# Altium PCB controller_V1.0.PcbDoc (part 5 of 8) (continued)
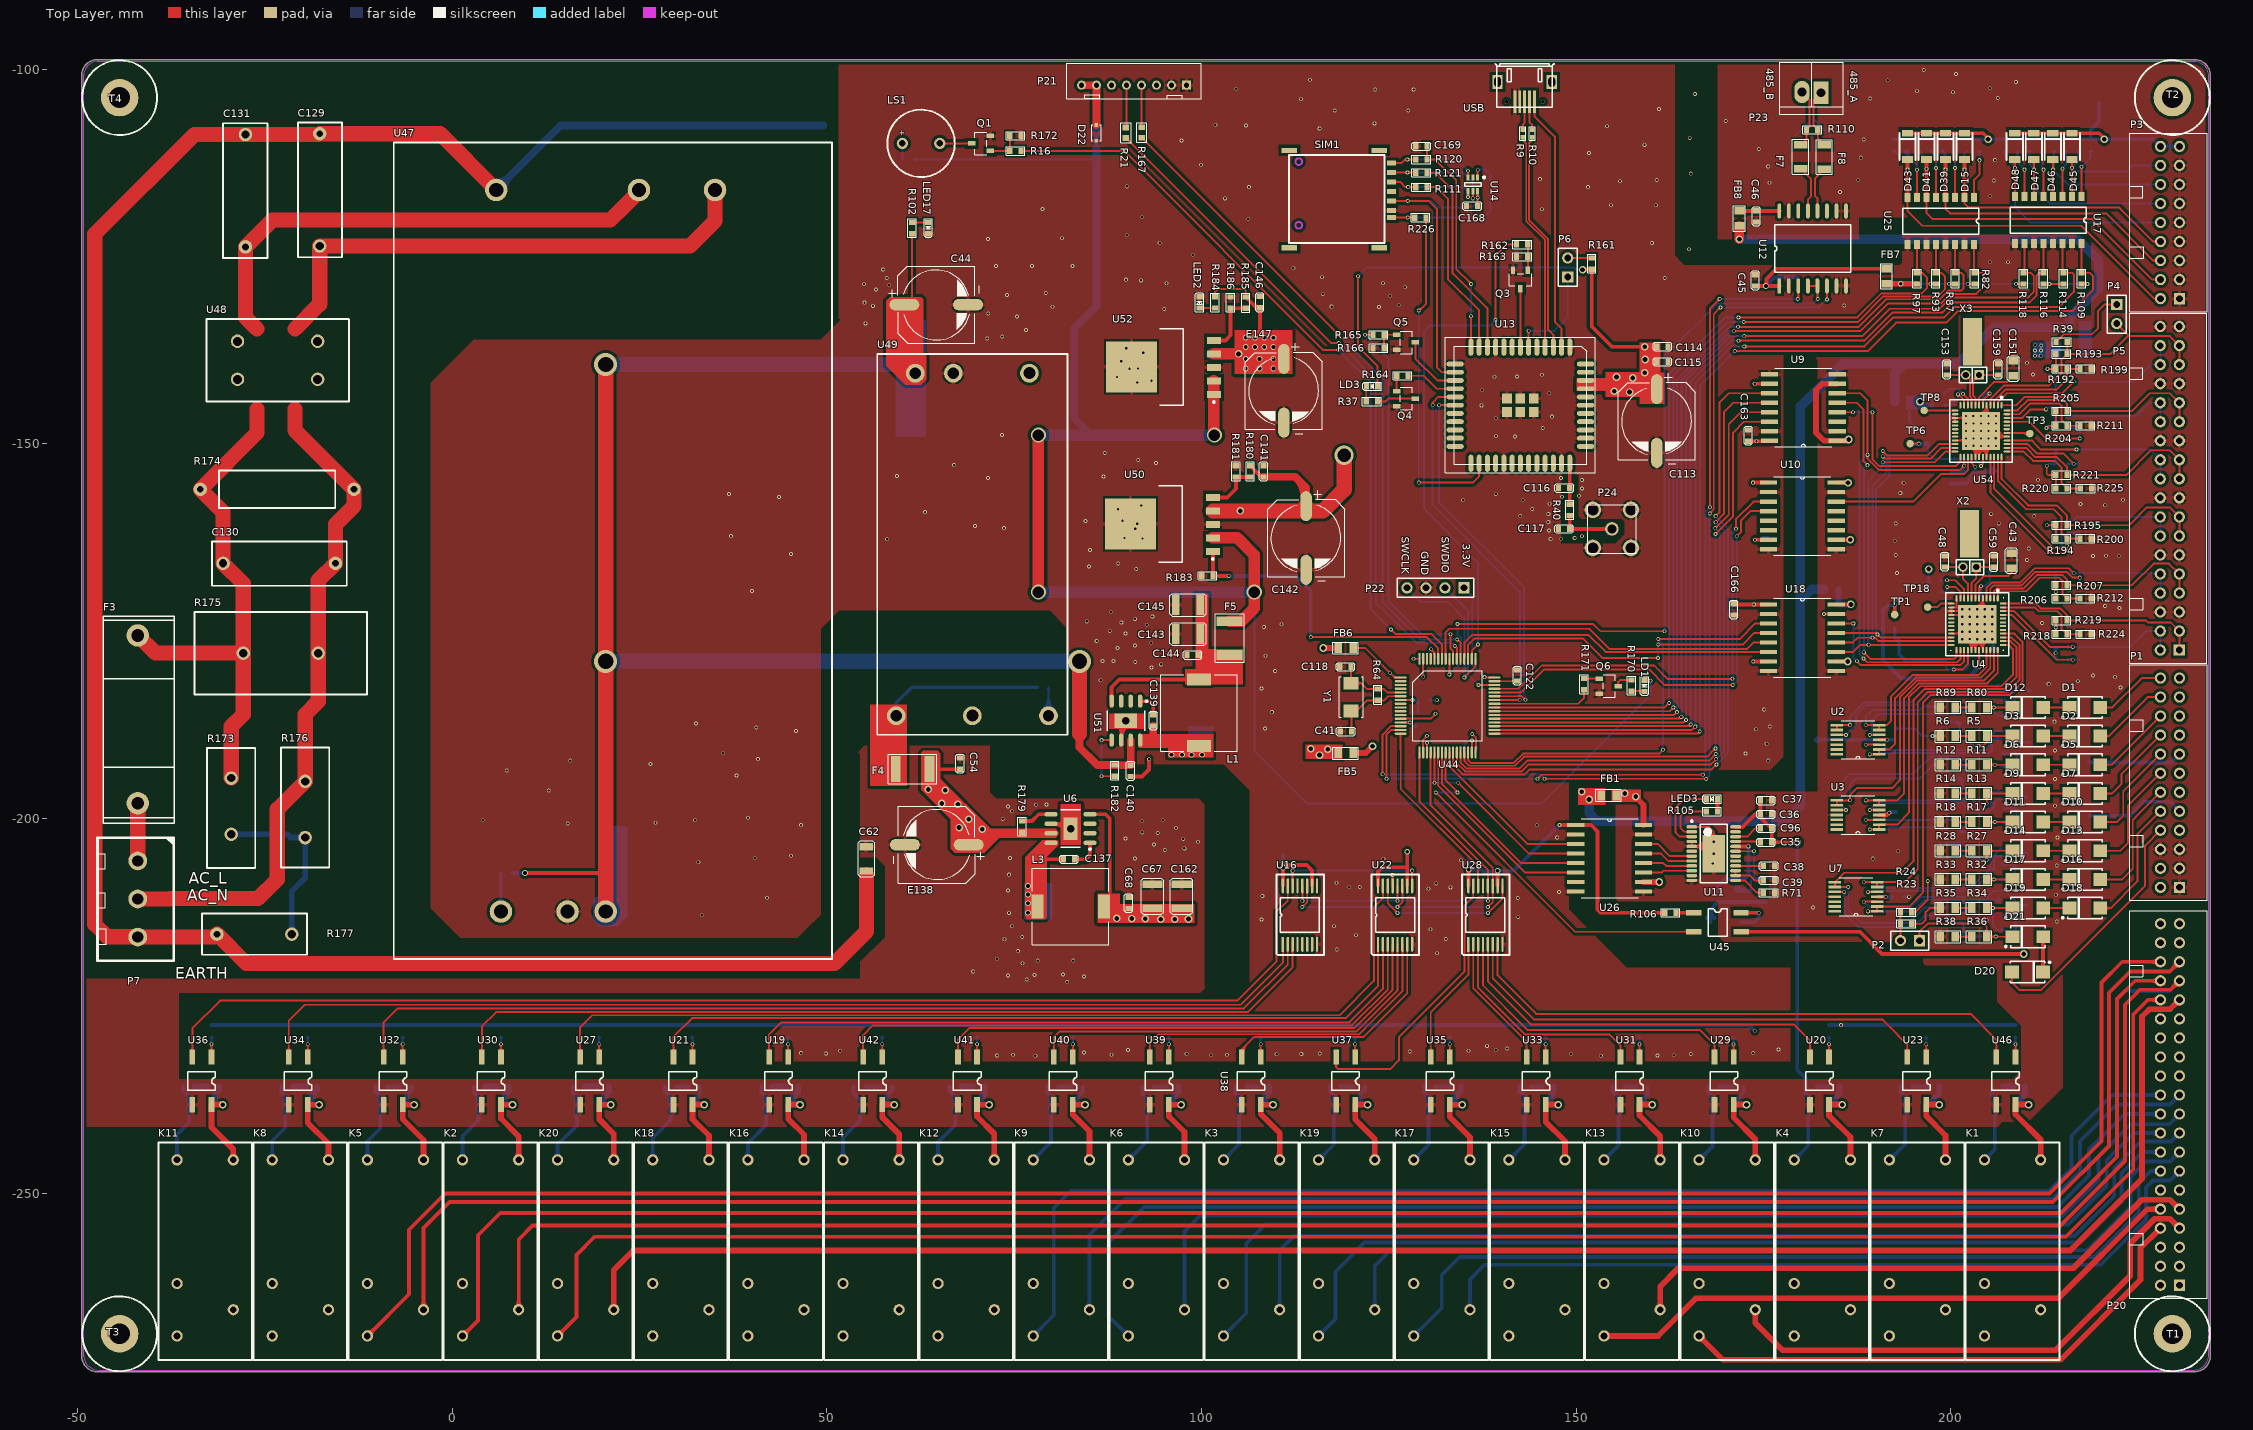
[diagram p0: Top Layer view]
## Nets (pads, with @x,y where several pads share a name; then routed paths per layer and width w, separated by ;. In a path a pad name is that pad's centre, name@x,y a point inside that pad or via, vN(x,y) a via of type N, cw(c..) or ccw(c..) an arc to the next point about the centre after c; other vN are vias at no path point) (continued)
  Bottom Layer w0.254: v1@186.93,-174.054 cw(c186.714,-174.271) 187.02,-174.271 cw(c187.327,-174.271) v1@187.11,-174.054 ; v1@187.02,-173.99 187.02,-178.537 v1(187.503,-179.019) ; v1@187.376,-179.019 ccw(c187.069,-179.019) 187.286,-178.802 ccw(c187.503,-178.586) v1@187.503,-178.892
MC\S\_PT1: U10.14 U54.27 | length 21.7
  Top Layer w0.254: U10.14@184.732,-157.709 194.996,-157.709 198.679,-154.026 201.778,-154.026 202.311,-153.492 202.311,-151.743 U54.27@202.303,-151.735 ; U10.14@185.716,-157.816 cw(c185.976,-158.077) 185.976,-157.709 cw(c185.976,-157.341) U10.14@185.716,-157.601
MC\S\_PT2: U10.13
MD\R\D\Y\: U4.25 U9.5 | length 52.9
  Top Layer w0.254: U9.5@184.859,-144.501 187.452,-144.501 188.392,-145.44 188.392,-152.324 v1(188.9,-152.832) ; U9.5@185.843,-144.608 cw(c186.103,-144.869) 186.103,-144.501 cw(c186.103,-144.133) U9.5@185.843,-144.393 ; v1@188.417,-177.952 cw(c188.417,-178.259) 188.634,-178.042 cw(c188.851,-177.825) v1@188.544,-177.825 ; v1(188.417,-177.825) 189.281,-178.689 200.482,-178.689 200.795,-178.376 U4.25@200.795,-177.516 ; v1@188.773,-152.832 ccw(c188.466,-152.832) 188.683,-152.615 ccw(c188.9,-152.398) v1@188.9,-152.705
  Bottom Layer w0.254: v1@188.327,-177.736 ccw(c188.111,-177.519) 188.417,-177.519 ccw(c188.724,-177.519) v1@188.507,-177.736 ; v1(188.417,-177.825) 188.417,-154.356 188.417,-153.314 v1(188.9,-152.832) ; v1@188.773,-152.832 cw(c188.466,-152.832) 188.683,-153.049 cw(c188.9,-153.265) v1@188.9,-152.959
MD\R\D\Y\_MCU: U9.12 U44.27 | length 95
  Top Layer w0.254: U44.27@134.091,-191.178 134.091,-192.638 135.179,-193.726 142.773,-193.726 143.713,-192.786 162.89,-192.786 ; 163.855,-192.786 162.89,-192.786 ; v1@168.58,-192.075 cw(c168.273,-192.075) 168.49,-192.292 cw(c168.707,-192.508) v1@168.707,-192.202 ; v1(168.631,-160.452) 169.748,-159.334 169.748,-145.745 170.993,-144.501 U9.12@175.816,-144.501 ; v1@168.631,-160.325 ccw(c168.631,-160.018) 168.847,-160.235 ccw(c169.064,-160.452) v1@168.758,-160.452 ; v1(168.707,-192.075) 167.996,-192.786 167.488,-192.786 162.89,-192.786 ; U9.12@174.832,-144.608 ccw(c174.572,-144.869) 174.572,-144.501 ccw(c174.572,-144.133) U9.12@174.832,-144.393
  Bottom Layer w0.254: v1@168.631,-160.579 cw(c168.631,-160.885) 168.847,-160.669 cw(c169.064,-160.452) v1@168.758,-160.452 ; v1(168.631,-160.452) 169.774,-161.595 169.774,-191.008 v1(168.707,-192.075) ; v1@168.707,-191.948 ccw(c168.707,-191.641) 168.924,-191.858 ccw(c169.14,-192.075) v1@168.834,-192.075
MD\R\D\Y\_PT1: U9.4 U54.25 | length 26.5
  Top Layer w0.254: U9.4@184.859,-145.771 v1(186.969,-145.771) ; U9.4@185.843,-145.878 cw(c186.103,-146.139) 186.103,-145.771 cw(c186.103,-145.403) U9.4@185.843,-145.663 ; v1@186.88,-145.86 ccw(c186.663,-146.077) 186.663,-145.771 ccw(c186.663,-145.464) v1@186.88,-145.681 ; v1@189.47,-145.86 cw(c189.254,-146.077) 189.56,-146.077 cw(c189.867,-146.077) v1@189.65,-145.86 ; v1(189.56,-145.771) 189.56,-152.039 190.48,-152.959 200.711,-152.959 201.303,-152.367 U54.25@201.303,-151.735
  Bottom Layer w0.254: v1(186.969,-145.771) v1(189.56,-145.771) ; v1@187.059,-145.86 cw(c187.276,-146.077) 187.276,-145.771 cw(c187.276,-145.464) v1@187.059,-145.681 ; v1@189.47,-145.86 ccw(c189.254,-146.077) 189.254,-145.771 ccw(c189.254,-145.464) v1@189.47,-145.681
MD\R\D\Y\_PT1_MCU: U9.13 U44.28 | length 90.7
  Top Layer w0.254: U44.28@134.591,-191.178 134.591,-192.554 135.382,-193.345 142.418,-193.345 143.485,-192.278 164.16,-192.278 ; 164.389,-192.278 164.16,-192.278 ; v1@168.529,-191.389 cw(c168.222,-191.389) 168.439,-191.606 cw(c168.656,-191.823) v1@168.656,-191.516 ; v1(168.58,-161.239) 170.383,-159.436 170.383,-147.396 172.009,-145.771 U9.13@175.816,-145.771 ; v1@168.58,-161.112 ccw(c168.58,-160.806) 168.797,-161.022 ccw(c169.013,-161.239) v1@168.707,-161.239 ; v1(168.656,-191.389) 167.767,-192.278 164.16,-192.278 ; U9.13@174.832,-145.878 ccw(c174.572,-146.139) 174.572,-145.771 ccw(c174.572,-145.403) U9.13@174.832,-145.663
  Bottom Layer w0.254: v1@168.58,-161.366 cw(c168.58,-161.673) 168.797,-161.456 cw(c169.013,-161.239) v1@168.707,-161.239 ; v1(168.58,-161.239) 169.215,-161.874 169.215,-190.83 v1(168.656,-191.389) ; v1@168.656,-191.262 ccw(c168.656,-190.955) 168.873,-191.172 ccw(c169.09,-191.389) v1@168.783,-191.389
MD\R\D\Y\_PT2: U9.3
MD\R\D\Y\_PT2_MCU: U9.14 U44.29 | length 87
  Top Layer w0.254: U44.29@135.091,-191.178 135.091,-192.292 135.763,-192.964 141.834,-192.964 143.053,-191.745 167.513,-191.745 v1(168.605,-190.652) ; v1@168.478,-190.652 cw(c168.172,-190.652) 168.388,-190.869 cw(c168.605,-191.086) v1@168.605,-190.779 ; v1(168.605,-162.027) 170.967,-159.664 170.967,-148.488 172.415,-147.041 U9.14@175.816,-147.041 ; v1@168.605,-161.9 ccw(c168.605,-161.593) 168.822,-161.81 ccw(c169.039,-162.027) v1@168.732,-162.027 ; U9.14@174.832,-147.148 ccw(c174.572,-147.409) 174.572,-147.041 ccw(c174.572,-146.673) U9.14@174.832,-146.933
  Bottom Layer w0.254: v1@168.515,-190.563 ccw(c168.299,-190.346) 168.605,-190.346 ccw(c168.912,-190.346) v1@168.695,-190.563 ; v1@168.515,-162.116 cw(c168.299,-162.333) 168.605,-162.333 cw(c168.912,-162.333) v1@168.695,-162.116 ; v1(168.605,-190.652) v1(168.605,-162.027)
MIBSPI1CLK: U18.4 U44.51 | length 48
  Top Layer w0.254: U44.51@135.591,-178.678 135.591,-176.829 136.449,-175.971 150.927,-175.971 153.543,-178.587 v1(160.934,-178.587) ; v1@160.845,-178.677 ccw(c160.628,-178.894) 160.628,-178.587 ccw(c160.628,-178.281) v1@160.845,-178.498 ; v1@160.96,-176.759 172.288,-176.759 173.812,-175.235 U18.4@175.689,-175.235 ; v1@161.05,-176.874 cw(c161.328,-177.152) 161.328,-176.759 ; U18.4@174.705,-175.342 ccw(c174.445,-175.603) 174.445,-175.235 ccw(c174.445,-174.867) U18.4@174.705,-175.127
  Bottom Layer w0.254: v1@160.845,-178.498 ccw(c160.566,-178.219) 160.96,-178.219 ; v1@160.87,-176.874 cw(c160.653,-177.091) 160.96,-177.091 cw(c161.266,-177.091) v1@161.05,-176.874 ; v1@160.96,-178.587 v1(160.96,-176.784)
MIBSPI1MCS1: U18.3 U44.30 | length 61.1
  Top Layer w0.254: U44.30@135.591,-191.178 135.591,-192.208 135.966,-192.583 141.676,-192.583 142.92,-191.338 161.087,-191.338 v1(161.595,-190.83) ; v1(160.96,-176.047) 171.856,-176.047 173.939,-173.965 U18.3@175.689,-173.965 ; v1@161.05,-176.137 cw(c161.266,-176.354) 161.266,-176.047 cw(c161.266,-175.741) v1@161.05,-175.958 ; v1@161.468,-190.83 cw(c161.161,-190.83) 161.378,-191.047 cw(c161.595,-191.264) v1@161.595,-190.957 ; U18.3@174.705,-174.072 ccw(c174.445,-174.333) 174.445,-173.965 ccw(c174.445,-173.597) U18.3@174.705,-173.857
  Bottom Layer w0.254: v1@160.96,-176.174 cw(c160.96,-176.481) 161.177,-176.264 cw(c161.393,-176.047) v1@161.087,-176.047 ; v1(160.96,-176.047) 161.595,-176.682 v1(161.595,-190.83) ; v1@161.505,-190.74 ccw(c161.288,-190.524) 161.595,-190.524 ccw(c161.901,-190.524) v1@161.685,-190.74
MIBSPI1MCS2: U10.3 U44.45 | length 63.1
  Top Layer w0.254: U44.45@139.091,-182.678 142.315,-182.678 145.415,-179.578 159.283,-179.578 160.426,-179.578 162.204,-181.356 v1(170.891,-181.356) ; v1@170.801,-181.446 ccw(c170.585,-181.663) 170.585,-181.356 ccw(c170.585,-181.049) v1@170.801,-181.266 ; v1@171.259,-161.226 ccw(c171.042,-161.009) 171.348,-161.009 ccw(c171.655,-161.009) v1@171.438,-161.226 ; v1(171.348,-161.315) 171.348,-160.071 173.711,-157.709 U10.3@175.689,-157.709 ; U10.3@174.705,-157.816 ccw(c174.445,-158.077) 174.445,-157.709 ccw(c174.445,-157.341) U10.3@174.705,-157.601
  Bottom Layer w0.254: v1@170.801,-181.266 ccw(c170.585,-181.049) 170.891,-181.049 ccw(c171.198,-181.049) v1@170.981,-181.266 ; v1(170.891,-181.356) 170.891,-161.773 v1(171.348,-161.315) ; v1@171.221,-161.315 cw(c170.915,-161.315) 171.132,-161.532 cw(c171.348,-161.749) v1@171.348,-161.442
MIBSPI1MCS3: U10.4 U44.44 | length 63.1
  Top Layer w0.254: U44.44@139.091,-183.178 142.678,-183.178 145.771,-180.086 159.156,-180.086 159.741,-180.086 161.849,-182.194 v1(170.917,-182.194) ; v1@170.827,-182.284 ccw(c170.61,-182.501) 170.61,-182.194 ccw(c170.61,-181.888) v1@170.827,-182.104 ; v1(171.45,-162.331) 172.009,-161.773 172.009,-160.223 173.253,-158.979 U10.4@175.689,-158.979 ; v1@171.45,-162.204 ccw(c171.45,-161.898) 171.667,-162.115 ccw(c171.884,-162.331) v1@171.577,-162.331 ; U10.4@174.705,-159.086 ccw(c174.445,-159.347) 174.445,-158.979 ccw(c174.445,-158.611) U10.4@174.705,-158.871
  Bottom Layer w0.254: v1(170.917,-182.194) 171.45,-181.661 v1(171.45,-162.331) ; v1@170.917,-182.067 ccw(c170.917,-181.761) 171.133,-181.977 ccw(c171.35,-182.194) v1@171.044,-182.194 ; v1@171.36,-162.421 cw(c171.143,-162.638) 171.45,-162.638 cw(c171.757,-162.638) v1@171.54,-162.421
MIBSPI1SIMO: U18.5 U44.57 | length 48.9
  Top Layer w0.254: U44.57@132.591,-178.678 132.591,-175.638 132.591,-175.155 133.071,-174.676 151.765,-174.676 154.457,-177.368 172.822,-177.368 173.66,-176.53 ; 173.66,-176.505 U18.5@175.689,-176.505 ; U18.5@174.705,-176.612 ccw(c174.445,-176.873) 174.445,-176.505 ccw(c174.445,-176.137) U18.5@174.705,-176.397
MIBSPI1SOMI: U18.6 U44.52 | length 44.7
  Top Layer w0.254: U44.52@135.091,-178.678 135.091,-176.516 136.093,-175.514 151.689,-175.514 153.949,-177.775 161.874,-177.775 U18.6@175.689,-177.775 ; U18.6@174.705,-177.882 ccw(c174.445,-178.143) 174.445,-177.775 ccw(c174.445,-177.407) U18.6@174.705,-177.667
MISO_AO_MCU: U26.6 U44.22 | length 28.2
  Top Layer w0.254: U44.22@131.591,-191.178 131.591,-192.71 131.599,-192.718 131.599,-195.441 131.591,-195.449 131.591,-195.599 143.205,-207.213 U26.6@149.959,-207.213 ; U26.6@148.975,-207.321 ccw(c148.715,-207.581) 148.715,-207.213 ccw(c148.715,-206.845) U26.6@148.975,-207.105
MOSI_AO_MCU: U26.5 U44.23 | length 27
  Top Layer w0.254: U44.23@132.091,-191.178 132.091,-195.362 142.672,-205.943 145.669,-205.943 U26.5@149.959,-205.943 ; U26.5@148.975,-206.051 ccw(c148.715,-206.311) 148.715,-205.943 ccw(c148.715,-205.575) U26.5@148.975,-205.835
MSR0: D12.2 R7.2 R80.2 | length 9.5
  Top Layer w0.254: R80.2@204.816,-185.174 v1(205.765,-185.174) D12.2@208.259,-185.174 ; R80.2@205.08,-185.438 cw(c205.717,-186.075) 205.717,-185.174 cw(c205.717,-184.274) R80.2@205.08,-184.911 ; v1@205.676,-185.264 ccw(c205.459,-185.481) 205.459,-185.174 ccw(c205.459,-184.868) v1@205.676,-185.085 ; v1@205.855,-185.264 cw(c206.072,-185.481) 206.072,-185.174 cw(c206.072,-184.868) v1@205.855,-185.085
  Bottom Layer w0.254: v1@205.676,-185.264 cw(c205.459,-185.481) 205.765,-185.481 cw(c206.072,-185.481) v1@205.855,-185.264 ; v1(205.765,-185.174) 205.765,-185.776 206.273,-186.284 R7.2@207.313,-186.284 ; R7.2@207.156,-186.441 ccw(c206.775,-186.822) 206.775,-186.284 ccw(c206.775,-185.745) R7.2@207.156,-186.126
MSR1: D3.2 R5.2 R29.2 | length 12
  Top Layer w0.254: v1@203.606,-190.281 v1(203.733,-190.281) 204.368,-190.281 204.816,-189.833 ; v1@203.823,-190.37 cw(c204.04,-190.587) 204.04,-190.281 cw(c204.04,-189.974) v1@203.823,-190.191 ; R5.2@204.615,-189.464 cw(c204.379,-189.833) 204.816,-189.833 ; R5.2@205.018,-189.464 ccw(c205.254,-189.833) 204.816,-189.833 ; R5.2@205.08,-189.264 cw(c205.717,-189.901) 205.717,-189 cw(c205.717,-188.1) R5.2@205.08,-188.737 ; D3.2@208.259,-189 R5.2@204.816,-189 204.816,-189.833
  Bottom Layer w0.254: R29.2@202.536,-189.056 cw(c202.223,-189.369) 202.665,-189.369 ; 202.665,-189.505 cw(c203.299,-189.505) R29.2@202.851,-189.056 ; R29.2@202.665,-188.984 202.665,-190.042 202.904,-190.281 v1(203.733,-190.281) ; v1@203.644,-190.37 ccw(c203.427,-190.587) 203.427,-190.281 ccw(c203.427,-189.974) v1@203.644,-190.191
MSR2: D6.2 R1.2 R11.2 | length 8.6
  Top Layer w0.254: R11.2@204.816,-192.826 v1(205.892,-192.826) D6.2@208.259,-192.826 ; R11.2@205.08,-193.09 cw(c205.717,-193.727) 205.717,-192.826 cw(c205.717,-191.926) R11.2@205.08,-192.562 ; v1@205.803,-192.916 ccw(c205.586,-193.133) 205.586,-192.826 ccw(c205.586,-192.52) v1@205.803,-192.736 ; v1@205.982,-192.916 cw(c206.199,-193.133) 206.199,-192.826 cw(c206.199,-192.52) v1@205.982,-192.736
  Bottom Layer w0.254: v1(205.892,-192.826) 206.466,-192.826 206.654,-193.015 R1.2@207.313,-193.015 ; v1@205.982,-192.916 cw(c206.199,-193.133) 206.199,-192.826 cw(c206.199,-192.52) v1@205.982,-192.736 ; R1.2@207.156,-193.172 ccw(c206.775,-193.553) 206.775,-193.015 ccw(c206.775,-192.476) R1.2@207.156,-192.857
MSR3: D9.2 R13.2 R44.2 | length 12.5
  Top Layer w0.254: R13.2@204.553,-197.066 cw(c203.916,-197.703) 204.816,-197.703 cw(c205.717,-197.703) R13.2@205.08,-197.066 ; v1@204.727,-197.938 ccw(c204.51,-197.721) 204.816,-197.721 ccw(c205.123,-197.721) v1@204.906,-197.938 ; v1(204.816,-198.028) R13.2@204.816,-196.652 D9.2@208.259,-196.652 ; R13.2@205.08,-196.916 cw(c205.717,-197.553) 205.717,-196.652 cw(c205.717,-195.752) R13.2@205.08,-196.388
  Bottom Layer w0.254: R44.2@202.79,-196.803 cw(c202.409,-197.184) 202.947,-197.184 cw(c203.486,-197.184) R44.2@203.105,-196.803 ; R44.2@202.947,-196.571 202.947,-197.496 203.479,-198.028 v1(204.816,-198.028) ; v1@204.727,-198.117 ccw(c204.51,-198.334) 204.51,-198.028 ccw(c204.51,-197.721) v1@204.727,-197.938
MSR4: D11.2 R3.2 R17.2 | length 8.6
  Top Layer w0.254: R17.2@204.816,-200.478 v1(205.892,-200.478) D11.2@208.259,-200.478 ; R17.2@205.08,-200.742 cw(c205.717,-201.378) 205.717,-200.478 cw(c205.717,-199.577) R17.2@205.08,-200.214 ; v1@205.803,-200.568 ccw(c205.586,-200.785) 205.586,-200.478 ccw(c205.586,-200.171) v1@205.803,-200.388 ; v1@205.982,-200.568 cw(c206.199,-200.785) 206.199,-200.478 cw(c206.199,-200.171) v1@205.982,-200.388
  Bottom Layer w0.254: v1(205.892,-200.478) 207.222,-200.478 R3.2@207.285,-200.414 ; v1@205.982,-200.568 cw(c206.199,-200.785) 206.199,-200.478 cw(c206.199,-200.171) v1@205.982,-200.388 ; 206.719,-200.478 cw(c206.719,-201.056) R3.2@207.128,-200.647 ; 206.775,-200.478 ccw(c206.775,-199.979) R3.2@207.128,-200.332
MSR5: D14.2 R25.2 R27.2 | length 11.7
  Top Layer w0.254: R27.2@204.553,-204.718 cw(c203.916,-205.354) 204.816,-205.354 cw(c205.717,-205.354) R27.2@205.08,-204.718 ; v1@204.727,-205.431 ccw(c204.51,-205.214) 204.816,-205.214 ccw(c205.123,-205.214) v1@204.906,-205.431 ; v1(204.816,-205.521) R27.2@204.816,-204.304 D14.2@208.259,-204.304 ; R27.2@205.08,-204.568 cw(c205.717,-205.204) 205.717,-204.304 cw(c205.717,-203.403) R27.2@205.08,-204.04
  Bottom Layer w0.254: R25.2@202.566,-205.08 R25.2@202.82,-205.08 203.479,-205.08 203.92,-205.521 v1(204.816,-205.521) ; R25.2@202.978,-205.237 cw(c203.359,-205.618) 203.359,-205.08 cw(c203.359,-204.541) R25.2@202.978,-204.922 ; v1@204.727,-205.61 ccw(c204.51,-205.827) 204.51,-205.521 ccw(c204.51,-205.214) v1@204.727,-205.431
MSR6: D17.2 R32.2 R60.2 | length 8.4
  Top Layer w0.254: R32.2@204.816,-208.13 v1(205.765,-208.13) D17.2@208.259,-208.13 ; R32.2@205.08,-208.393 cw(c205.717,-209.03) 205.717,-208.13 cw(c205.717,-207.229) R32.2@205.08,-207.866 ; v1@205.676,-208.219 ccw(c205.459,-208.436) 205.459,-208.13 ccw(c205.459,-207.823) v1@205.676,-208.04 ; v1@205.855,-208.219 cw(c206.072,-208.436) 206.072,-208.13 cw(c206.072,-207.823) v1@205.855,-208.04
  Bottom Layer w0.254: v1@205.767,-208.128 R60.2@207.059,-208.128 ; v1@205.855,-208.219 cw(c206.077,-208.441) 206.077,-208.128 ; v1@205.855,-208.04 ccw(c206.067,-207.828) 206.067,-208.128 ; R60.2@206.902,-208.285 ccw(c206.521,-208.666) 206.521,-208.128 ccw(c206.521,-207.589) R60.2@206.902,-207.97
MSR7: D19.2 R34.2 R46.2 | length 11
  Top Layer w0.254: R34.2@204.816,-211.956 v1(205.638,-211.956) ; R34.2@205.097,-212.201 cw(c205.638,-212.675) v1(205.638,-211.956) ; R34.2@205.097,-211.71 ccw(c205.638,-211.236) v1(205.638,-211.956) ; v1@205.549,-212.045 ccw(c205.332,-212.262) 205.332,-211.956 ccw(c205.332,-211.649) v1@205.549,-211.866 ; v1@205.728,-212.045 cw(c205.945,-212.262) 205.945,-211.956 cw(c205.945,-211.649) v1@205.728,-211.866 ; D19.2@208.259,-211.956 v1(205.638,-211.956)
  Bottom Layer w0.254: v1@205.549,-212.045 cw(c205.332,-212.262) 205.638,-212.262 cw(c205.945,-212.262) v1@205.728,-212.045 ; v1(205.638,-211.956) 205.638,-214.224 206.273,-214.859 R46.2@207.186,-214.859 ; R46.2@207.029,-215.016 ccw(c206.648,-215.397) 206.648,-214.859 ccw(c206.648,-214.32) R46.2@207.029,-214.701
MSR8: D21.2 P2.1 R36.2 R62.2 | length 24.7
  Top Layer w0.254: P2.1@195.487,-215.789 ccw(c195.05,-215.138) 195.834,-215.138 ; P2.1@195.834,-216.306 195.834,-215.138 ; P2.1@196.181,-215.789 cw(c196.618,-215.138) 195.834,-215.138 ; R36.2@204.553,-215.368 ccw(c203.916,-214.731) 204.816,-214.731 ccw(c205.717,-214.731) R36.2@205.08,-215.368 ; R36.2@205.08,-216.045 cw(c205.717,-216.682) 205.717,-215.781 cw(c205.717,-214.881) R36.2@205.08,-215.518 ; 205.631,-215.781 ccw(c205.631,-215.359) v1@205.93,-215.658 ; v1@206.109,-215.658 ccw(c206.408,-215.359) 206.408,-215.781 ; D21.2@208.259,-215.781 R36.2@204.816,-215.781 204.816,-214.443 204.394,-214.02 196.952,-214.02 195.834,-215.138
  Bottom Layer w0.254: R62.2@203.201,-215.748 v1(206.019,-215.748) ; R62.2@203.359,-215.905 cw(c203.74,-216.286) 203.74,-215.748 cw(c203.74,-215.209) R62.2@203.359,-215.59 ; v1@205.93,-215.837 ccw(c205.713,-216.054) 205.713,-215.748 ccw(c205.713,-215.441) v1@205.93,-215.658
MSTART: R19.2 R189.2 U4.26 U9.6 U54.26 | length 79
  Top Layer w0.254: U9.6@184.859,-143.231 187.935,-143.231 188.9,-144.196 v1(188.9,-151.46) ; U9.6@185.843,-143.338 cw(c186.103,-143.599) 186.103,-143.231 cw(c186.103,-142.863) U9.6@185.843,-143.123 ; v1@188.366,-178.765 cw(c188.366,-179.072) 188.583,-178.855 cw(c188.8,-178.638) v1@188.493,-178.638 ; v1(188.366,-178.638) 188.874,-179.146 200.914,-179.146 201.295,-178.765 U4.26@201.295,-177.516 ; v1@188.81,-151.55 cw(c188.593,-151.767) 188.9,-151.767 cw(c189.206,-151.767) v1@188.99,-151.55 ; v1@188.81,-151.37 ccw(c188.593,-151.154) 188.9,-151.154 ccw(c189.206,-151.154) v1@188.99,-151.37 ; v1@188.925,-151.46 v1(188.9,-151.46) ; v1@201.676,-152.908 cw(c201.369,-152.908) 201.586,-153.125 cw(c201.803,-153.342) v1@201.803,-153.035 ; v1@201.713,-152.818 ccw(c201.496,-152.601) 201.803,-152.601 ccw(c202.11,-152.601) v1@201.893,-152.818 ; U54.26@201.803,-151.735 v1(201.803,-152.908) 201.219,-153.492 190.475,-153.492 188.9,-151.917 v1(188.9,-151.46)
  Bottom Layer w0.254: v1@188.239,-178.638 ccw(c187.933,-178.638) 188.15,-178.421 ccw(c188.366,-178.205) v1@188.366,-178.511 ; v1(188.366,-178.638) 187.858,-178.13 187.858,-152.502 v1(188.9,-151.46) ; v1@188.773,-151.46 cw(c188.466,-151.46) 188.683,-151.677 cw(c188.9,-151.894) v1@188.9,-151.587 ; R189.2@199.989,-153.77 R19.2@201.767,-153.77 v1@201.767,-152.944 ; R189.2@200.222,-153.928 cw(c200.602,-154.309) 200.602,-153.77 cw(c200.602,-153.232) R189.2@200.222,-153.613 ; R19.2@201.534,-153.928 ccw(c201.154,-154.309) 201.154,-153.77 ccw(c201.154,-153.232) R19.2@201.534,-153.613 ; R19.2@201.609,-153.613 ccw(c201.229,-153.232) 201.767,-153.232 ccw(c202.305,-153.232) R19.2@201.925,-153.613 ; 201.767,-153.302 cw(c202.197,-153.302) v1@201.893,-152.998
MSTART_MCU: U9.11 U44.26 | length 100.6
  Top Layer w0.254: U44.26@133.591,-191.178 133.591,-192.824 134.874,-194.107 143.154,-194.107 143.815,-193.446 161.417,-193.446 ; 163.347,-193.446 161.417,-193.446 ; 167.742,-193.446 166.548,-193.446 ; v1@168.631,-192.786 cw(c168.324,-192.786) 168.541,-193.003 cw(c168.758,-193.22) v1@168.758,-192.913 ; v1(168.631,-159.639) 169.164,-159.106 169.164,-144.424 170.358,-143.231 U9.11@175.816,-143.231 ; v1@168.631,-159.512 ccw(c168.631,-159.205) 168.847,-159.422 ccw(c169.064,-159.639) v1@168.758,-159.639 ; v1(168.758,-192.786) 168.097,-193.446 166.548,-193.446 ; U9.11@174.832,-143.338 ccw(c174.572,-143.599) 174.572,-143.231 ccw(c174.572,-142.863) U9.11@174.832,-143.123 ; 161.417,-193.446 166.548,-193.446
  Bottom Layer w0.254: v1@168.631,-159.766 cw(c168.631,-160.073) 168.847,-159.856 cw(c169.064,-159.639) v1@168.758,-159.639 ; v1(168.631,-159.639) 170.307,-161.315 170.307,-191.237 v1(168.758,-192.786) ; v1@168.758,-192.659 ccw(c168.758,-192.352) 168.974,-192.569 ccw(c169.191,-192.786) v1@168.885,-192.786
NetC3_1: C3.1 R1.1 R2.2 | length 7.7
  Bottom Layer w0.254: C3.1@206.788,-191.34 R2.2@208.813,-191.34 R1.1@208.813,-193.015 ; C3.1@207.195,-191.61 cw(c207.849,-192.264) 207.849,-191.34 ; C3.1@207.195,-191.083 ccw(c207.815,-190.463) 207.815,-191.34 ; R2.2@208.581,-191.497 ccw(c208.2,-191.878) 208.2,-191.34 ccw(c208.2,-190.801) R2.2@208.581,-191.182 ; R1.1@208.656,-192.782 ccw(c208.275,-192.401) 208.813,-192.401 ccw(c209.352,-192.401) R1.1@208.971,-192.782 ; R2.2@208.656,-191.497 cw(c208.275,-191.878) 208.813,-191.878 cw(c209.352,-191.878) R2.2@208.971,-191.497
NetC4_1: C4.1 R3.1 R4.2 | length 8
  Bottom Layer w0.254: C4.1@207.106,-198.65 R4.2@208.785,-198.65 R3.1@208.785,-200.414 ; C4.1@207.14,-198.366 ccw(c207.826,-197.68) 207.826,-198.65 ; C4.1@207.32,-198.186 ccw(c208.439,-197.067) R4.2@208.439,-198.65 ; R4.2@208.553,-198.808 ccw(c208.172,-199.189) 208.172,-198.65 ccw(c208.172,-198.112) R4.2@208.553,-198.493 ; R3.1@208.628,-200.182 ccw(c208.247,-199.801) 208.785,-199.801 ccw(c209.324,-199.801) R3.1@208.943,-200.182 ; R4.2@208.628,-198.808 cw(c208.247,-199.189) 208.785,-199.189 cw(c209.324,-199.189) R4.2@208.943,-198.808
NetC5_1: C5.1 R7.1 R8.2 | length 7.9
  Bottom Layer w0.254: C5.1@206.781,-184.353 R8.2@208.812,-184.353 ; C5.1@207.195,-184.617 cw(c207.832,-185.254) 207.832,-184.353 cw(c207.832,-183.453) C5.1@207.195,-184.089 ; 208.197,-184.353 cw(c208.197,-184.896) R8.2@208.581,-184.512 ; 208.203,-184.353 ccw(c208.203,-183.82) R8.2@208.581,-184.197 ; R7.1@208.656,-186.051 ccw(c208.275,-185.67) 208.813,-185.67 ccw(c209.352,-185.67) R7.1@208.971,-186.051 ; R8.2@208.656,-184.512 cw(c208.275,-184.893) 208.813,-184.893 cw(c209.352,-184.893) R8.2@208.971,-184.512 ; R7.1@208.813,-186.284 R8.2@208.813,-184.355
NetC6_2: C6.2 R2.1 U2.3 | length 30.4
  Top Layer w0.254: v1(188.666,-190.146) 188.67,-190.142 U2.3@190.447,-190.142 ; v1@188.756,-190.236 cw(c188.982,-190.462) 188.982,-190.142 ; v1@188.756,-190.056 ccw(c188.963,-189.849) 188.963,-190.142
  Bottom Layer w0.254: v1(188.666,-190.146) 190.959,-190.146 191.668,-190.856 204.495,-190.856 205.13,-190.221 205.13,-189.205 206.019,-188.316 208.178,-188.316 208.813,-188.951 R2.1@208.813,-189.84 210.694,-189.84 C6.2@210.718,-189.864 ; v1@188.756,-190.236 cw(c188.973,-190.453) 188.973,-190.146 cw(c188.973,-189.84) v1@188.756,-190.056 ; R2.1@208.656,-189.682 ccw(c208.275,-189.301) 208.813,-189.301 ccw(c209.352,-189.301) R2.1@208.971,-189.682 ; R2.1@209.046,-189.997 cw(c209.427,-190.378) 209.427,-189.84 cw(c209.427,-189.301) R2.1@209.046,-189.682 ; 210.047,-189.84 cw(c210.047,-190.46) C6.2@210.486,-190.021 ; 210.163,-189.84 ccw(c210.163,-189.383) C6.2@210.486,-189.706
NetC7_2: C7.2 R4.1 U3.5 | length 29
  Top Layer w0.254: v1(189.207,-198.875) U3.5@190.447,-198.875 ; v1@189.297,-198.965 cw(c189.514,-199.182) 189.514,-198.875 cw(c189.514,-198.569) v1@189.297,-198.786
  Bottom Layer w0.254: v1(189.207,-198.875) 190.115,-197.968 201.574,-197.968 202.717,-199.111 205.161,-199.111 205.765,-198.506 205.765,-197.968 206.273,-197.46 208.476,-197.46 R4.1@208.785,-197.15 C7.2@210.309,-197.15 ; v1@189.207,-198.748 ccw(c189.207,-198.442) 189.424,-198.659 ccw(c189.641,-198.875) v1@189.334,-198.875 ; 207.425,-197.46 ccw(c207.425,-195.865) R4.1@208.553,-196.993 ; 208.038,-197.46 ccw(c208.038,-196.478) R4.1@208.732,-197.172 ; R4.1@209.018,-197.308 cw(c209.399,-197.689) 209.399,-197.15 cw(c209.399,-196.612) R4.1@209.018,-196.993 ; C7.2@210.077,-197.308 ccw(c209.696,-197.689) 209.696,-197.15 ccw(c209.696,-196.612) C7.2@210.077,-196.993
NetC8_2: C8.2 R8.1 U2.10 | length 31.8
  Top Layer w0.254: U2.10@184.808,-188.842 v1(186.047,-188.842) ; v1@185.957,-188.932 ccw(c185.741,-189.149) 185.741,-188.842 ccw(c185.741,-188.536) v1@185.957,-188.753
  Bottom Layer w0.254: v1(186.047,-188.842) 187.35,-187.539 187.35,-186.187 188.651,-184.887 195.351,-184.887 197.002,-183.236 208.432,-183.236 R8.1@208.813,-182.855 C8.2@210.694,-182.855 ; v1@186.047,-188.715 ccw(c186.047,-188.409) 186.264,-188.626 ccw(c186.481,-188.842) v1@186.174,-188.842 ; R8.1@209.046,-183.012 cw(c209.427,-183.393) 209.427,-182.855 cw(c209.427,-182.316) R8.1@209.046,-182.697 ; 210.047,-182.855 cw(c210.047,-183.475) C8.2@210.486,-183.036 ; 210.163,-182.855 ccw(c210.163,-182.398) C8.2@210.486,-182.721
NetC12_1: C12.1 R25.1 R26.2 | length 6.3
  Bottom Layer w0.254: C12.1@199.337,-203.278 R26.2@201.32,-203.278 R25.1@201.32,-205.08 ; R26.2@201.088,-203.435 ccw(c200.707,-203.816) 200.707,-203.278 ccw(c200.707,-202.739) R26.2@201.088,-203.12 ; R25.1@201.163,-204.847 ccw(c200.782,-204.466) 201.32,-204.466 ccw(c201.859,-204.466) R25.1@201.478,-204.847 ; R26.2@201.163,-203.435 cw(c200.782,-203.816) 201.32,-203.816 cw(c201.859,-203.816) R26.2@201.478,-203.435
NetC13_1: C13.1 R29.1 R30.2 | length 7.8
  Bottom Layer w0.254: C13.1@199.533,-187.149 R30.2@201.193,-187.149 R29.1@201.193,-188.824 ; C13.1@199.647,-186.944 ccw(c200.14,-186.452) 200.14,-187.149 ; C13.1@199.827,-187.292 cw(c200.174,-187.639) 200.174,-187.149 ; C13.1@199.827,-186.765 ccw(c200.753,-185.838) 200.753,-187.149 ; R30.2@200.961,-187.306 ccw(c200.58,-187.687) 200.58,-187.149 ccw(c200.58,-186.61) R30.2@200.961,-186.991 ; R29.1@201.036,-188.591 ccw(c200.655,-188.21) 201.193,-188.21 ccw(c201.732,-188.21) R29.1@201.351,-188.591 ; R30.2@201.036,-187.306 cw(c200.655,-187.687) 201.193,-187.687 cw(c201.732,-187.687) R30.2@201.351,-187.306
NetC16_2: C16.2 R26.1 U3.3 | length 20.9
  Top Layer w0.254: v1(188.666,-200.179) 188.67,-200.175 U3.3@190.447,-200.175 ; v1@188.756,-200.269 cw(c188.982,-200.495) 188.982,-200.175 ; v1@188.756,-200.089 ccw(c188.963,-199.882) 188.963,-200.175
  Bottom Layer w0.254: v1(188.666,-200.179) 200.611,-200.179 201.32,-200.889 R26.1@201.32,-201.778 203.074,-201.778 C16.2@203.098,-201.802 ; v1@188.756,-200.269 cw(c188.973,-200.486) 188.973,-200.179 cw(c188.973,-199.873) v1@188.756,-200.089 ; R26.1@201.163,-201.62 ccw(c200.782,-201.239) 201.32,-201.239 ccw(c201.859,-201.239) R26.1@201.478,-201.62 ; R26.1@201.553,-201.935 cw(c201.934,-202.316) 201.934,-201.778 cw(c201.934,-201.239) R26.1@201.553,-201.62 ; 202.427,-201.778 cw(c202.427,-202.398) C16.2@202.866,-201.959 ; 202.543,-201.778 ccw(c202.543,-201.321) C16.2@202.866,-201.644